# Altium PCB FPGA_Module.PcbDoc (part 2 of 6)
Units mm, origin at the board's own origin, x right, y up, seen from the top; angles counter-clockwise.
Board outline 40 x 50 mm, 6 copper layers (Top Layer, Int1 (GND), Int2 (Sign), Int3 (Sign), Int4 (GND), Bottom Layer), stack 1.482 mm thick; 195 components, 212 nets, 1182 pads, 669 vias.
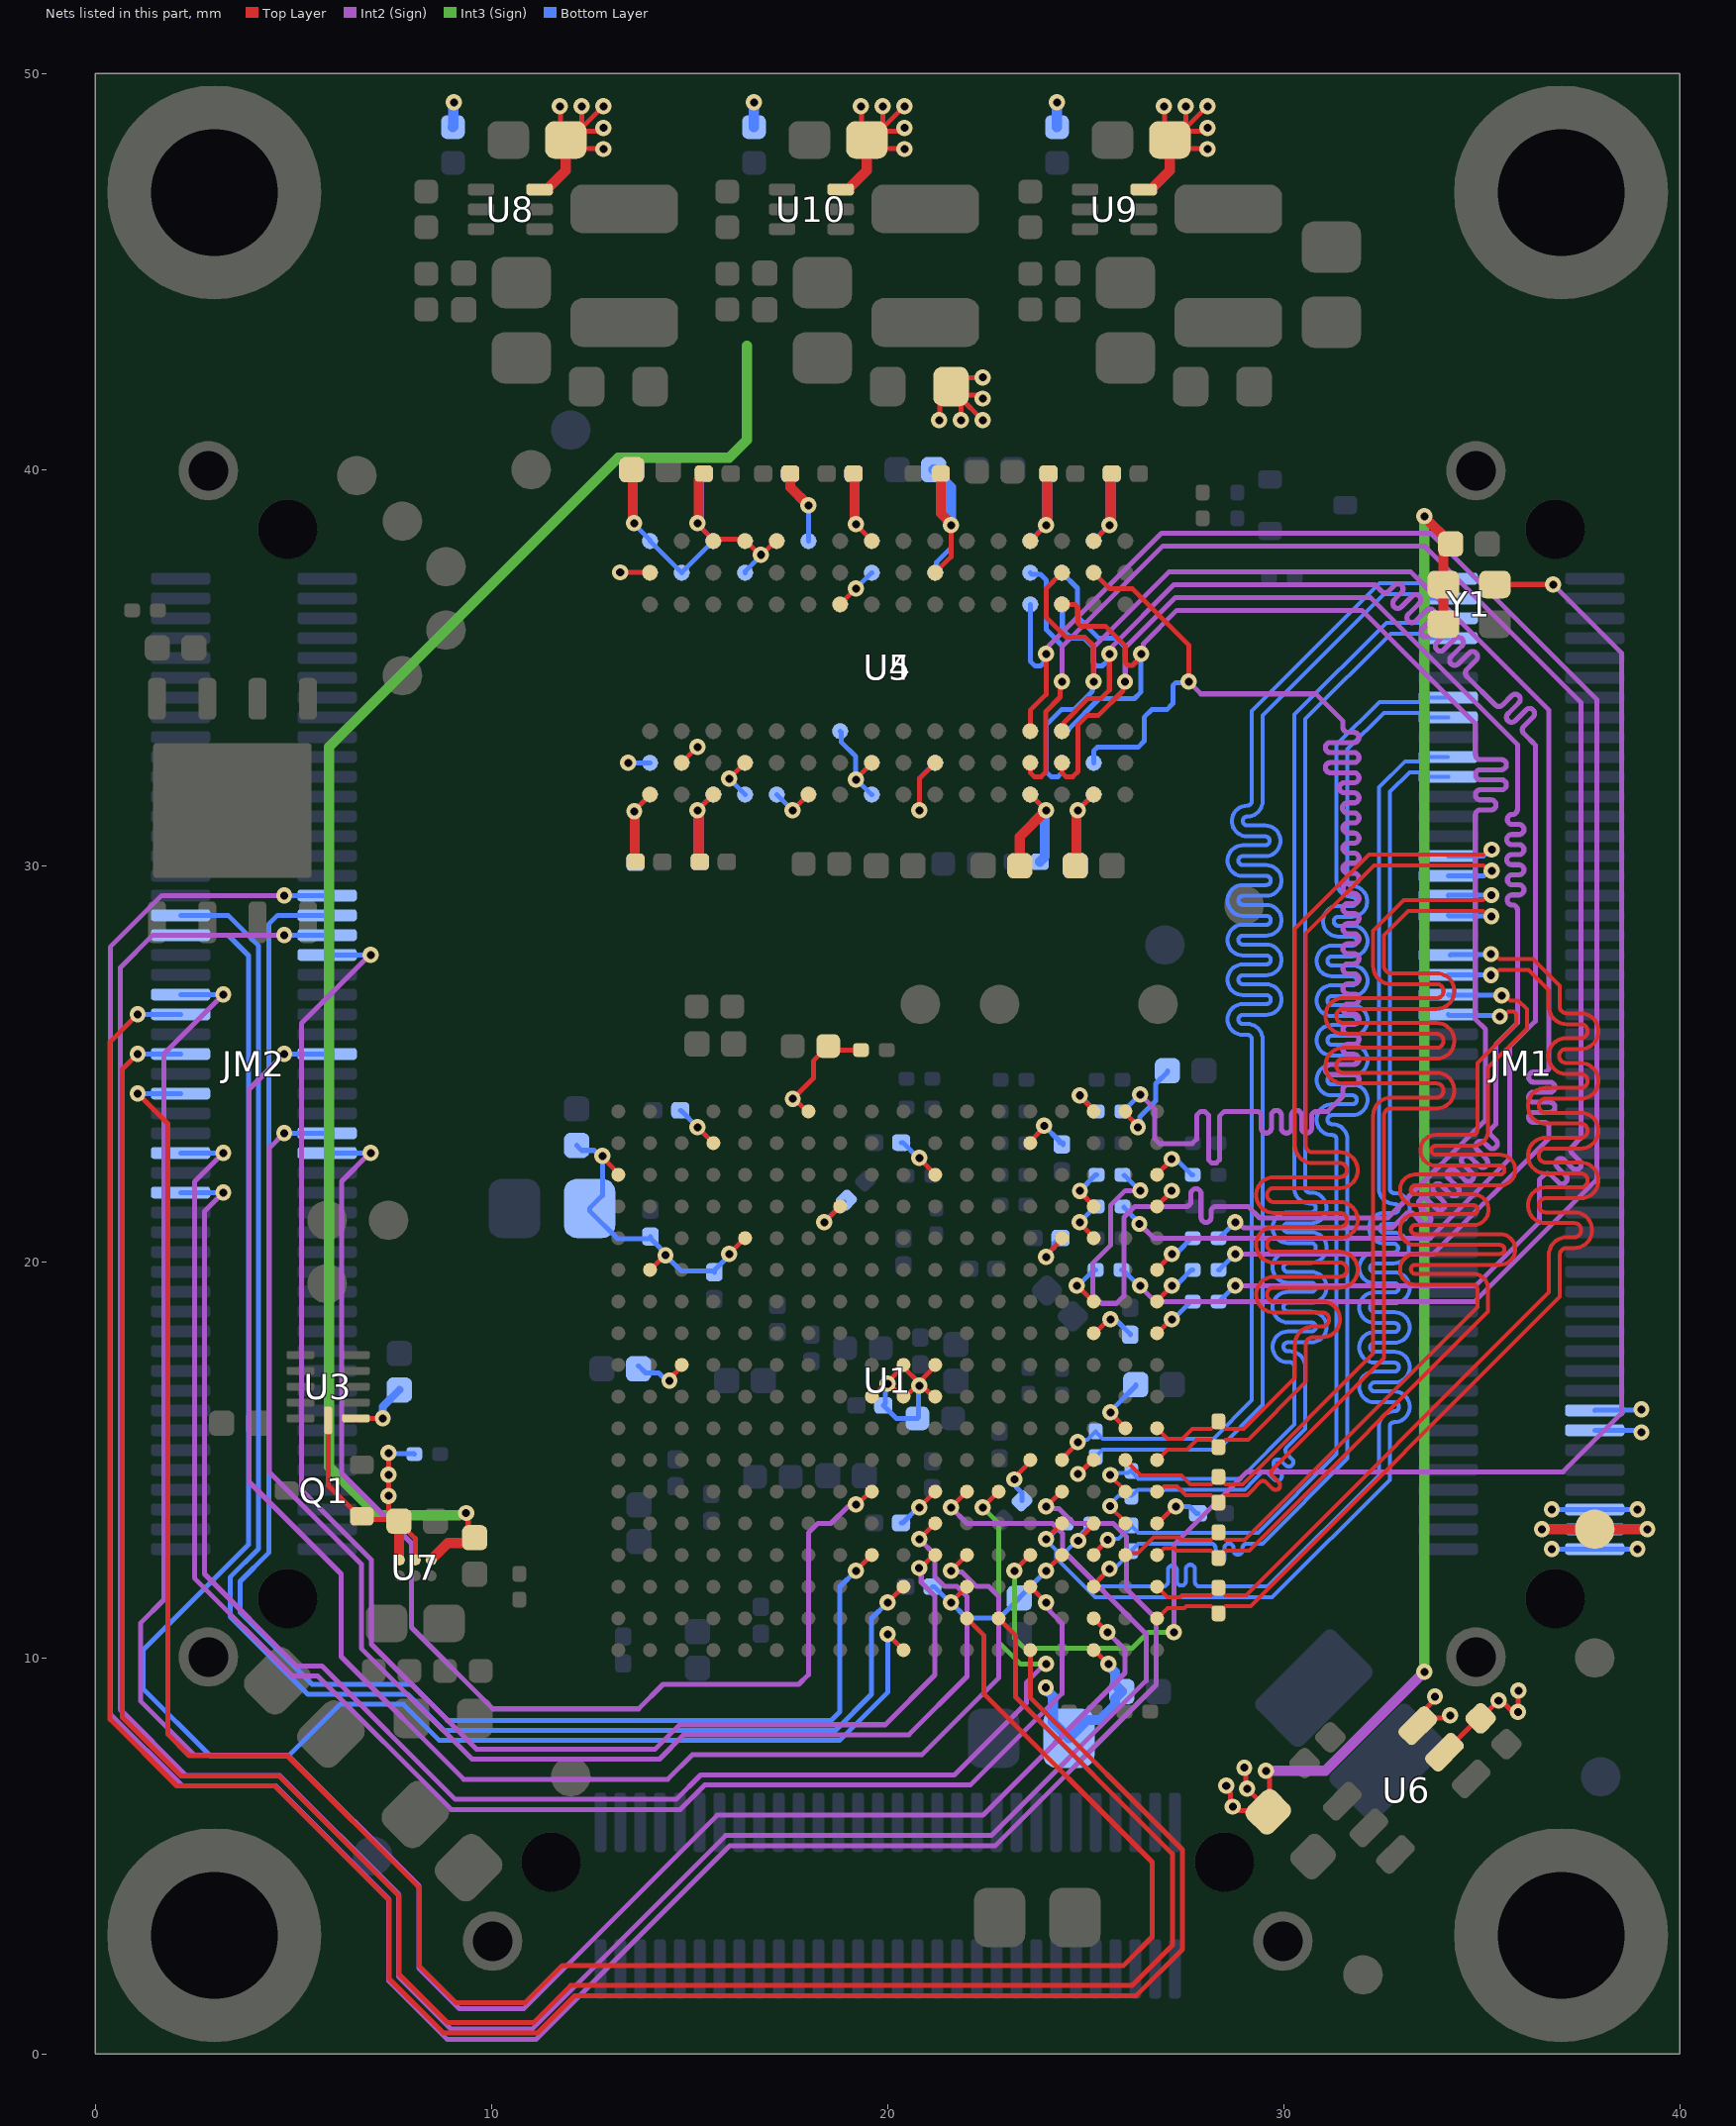
[diagram p6: the nets of this part, all layers, seen from the top]

## Via types
v1: diameter 0.406, hole 0.203, Top Layer to Bottom Layer, tented both sides, 669 vias

## Nets (pads, with @x,y where several pads share a name; then routed paths per layer and width w, separated by ;. In a path a pad name is that pad's centre, name@x,y a point inside that pad or via, vN(x,y) a via of type N, cw(c..) or ccw(c..) an arc to the next point about the centre after c; other vN are vias at no path point) (continued)
1V35: C1.1 C5.2 C6.2 C7.2 C8.2 C9.2 C10.2 C11.2 C12.2 C13.2 C14.2 C15.2 C17.2 C18.2 C19.2 C20.2 C21.2 C22.2 C23.2 C24.2 C25.2 C26.2 C27.2 C36.2 C37.2 C38.2 C39.2 C40.2 C41.2 C42.2 C43.2 C44.2 C45.2 C46.2 C47.2 C48.2 C84.2 Q1.2 R12.2 R27.2 R55.2 R58.2 U1.A16 U1.B13 U1.C10 U1.D17 U1.E14 U1.G18 U1.H15 U1.L16 U1.P17 U1.R14 U1.T11 U1.U8 U1.U18 U1.V15 U3.1 U3.12 U4.A1 U4.A8 U4.B2 U4.C1 U4.C9 U4.D2 U4.D9 U4.E9 U4.F1 U4.G7 U4.H2 U4.H9 U4.K2 U4.K8 U4.N1 U4.N9 U4.R1 U4.R9 U5.A1 U5.A8 U5.B2 U5.C1 U5.C9 U5.D2 U5.D9 U5.E9 U5.F1 U5.G7 U5.H2 U5.H9 U5.K2 U5.K8 U5.N1 U5.N9 U5.R1 U5.R9 U7.A2 U7.B2 | length 96
  Top Layer w0.127: U3.12@5.875,16 5.875,14.36 6.66,13.575 Q1.2@6.725,13.575 6.8,13.5 7.59,13.5 C84.2@7.665,13.425 ; U3.1@6.575,16.013 U3.1@6.575,16.05 v1(7.255,16.05) ; v1(7.4,15.175) v1(7.4,14.625) v1(7.4,14.092) 7.4,13.742 7.665,13.477 C84.2@7.665,13.425 ; U7.A2@7.67,12.48 U7.A2@7.675,12.475 ; U7.B2@8.075,12.475 8.075,13.015 7.67,13.42 C84.2@7.665,13.425 ; v1(12.8,22.675) 12.8,22.638 13.2,22.237 U1.A16@13.2,22.2 ; v1(13.25,37.406) 13.253,37.403 13.997,37.403 U4.A8@14,37.4 ; v1(13.606,31.375) v1@13.621,31.361 ; C13.2@13.621,30.114 C13.2@13.635,30.1 ; v1@13.65,31.375 13.65,31.434 14,31.784 U4.A1@14,31.8 ; U1.B13@14.038,19.838 14.049,19.838 14.379,20.167 v1(14.39,20.167) ; v1(14.491,17) 14.491,17.046 14.762,17.317 U1.C10@14.762,17.362 ; U4.B2@14.8,32.6 v1(15.2,33) ; v1(15.2,23.4) U1.D17@15.562,23.038 ; v1@15.2,38.625 15.6,38.225 U4.C9@15.6,38.2 15.646,38.246 16.354,38.246 U4.D9@16.4,38.2 ; C7.2@15.23,30.13 C7.2@15.26,30.1 ; v1@15.23,31.37 v1(15.2,31.4) U4.C1@15.6,31.8 ; v1(16,20.2) U1.E14@16.362,20.562 ; v1(16,32.2) U4.D2@16.4,32.6 ; U4.D9@16.444,38.244 U4.D9@16.4,38.2 ; U4.E9@17.156,38.244 U4.E9@17.2,38.2 ; U4.E9@17.2,38.225 U4.E9@17.2,38.2 ; v1@17.6,24.117 v1(17.606,24.117) ; v1(17.6,31.4) U4.F1@18,31.8 ; U1.G18@17.962,23.838 17.924,23.838 17.645,24.117 v1(17.606,24.117) ; v1(18.4,21) U1.H15@18.762,21.362 ; U4.G7@18.8,36.6 v1(19.2,37) ; v1(19.2,32.175) 19.2,32.187 19.6,32.588 U4.H2@19.6,32.6 ; v1@19.2,38.613 19.6,38.213 U4.H9@19.6,38.2 ; R58.2@19.325,25.35 18.6,25.35 R27.2@18.5,25.45 18.125,25.075 18.125,24.635 v1(17.606,24.117) ; v1(20.8,22.625) 20.8,22.613 21.2,22.212 U1.L16@21.2,22.2 ; v1(20.8,31.4) 20.8,32.2 U4.K2@21.2,32.6 ; U4.K8@21.2,37.4 21.6,37.8 v1(21.6,38.6) ; v1(21.3,41.25) 21.313,41.263 21.313,41.813 R55.2@21.6,42.1 ; R55.2@21.797,41.903 R55.2@21.6,42.1 ; R55.2@21.815,41.922 21.815,41.835 v1(22.4,41.25) ; v1(21.85,41.25) R55.2@21.85,41.85 ; R55.2@21.85,41.956 21.927,41.879 22.24,41.879 22.324,41.795 v1(22.4,41.795) ; v1(22.4,42.329) 22.391,42.32 21.82,42.32 R55.2@21.6,42.1 ; U1.P17@23.6,23 23.6,23.042 23.951,23.394 v1(23.951,23.437) ; U4.N1@23.6,31.8 v1(24,31.4) ; U4.N9@23.6,38.2 v1(24,38.6) ; v1(24,20.125) 24,20.162 24.4,20.563 U1.R14@24.4,20.6 ; v1(24.8,31.4) U4.R1@25.2,31.8 ; U1.T11@25.2,18.2 25.238,18.2 25.588,18.55 v1(25.625,18.55) ; U4.R9@25.2,38.2 v1(25.6,38.6) ; v1(25.625,16.2) 25.625,16.188 26,15.813 U1.U8@26,15.8 ; U1.U18@26,23.8 26,23.754 26.309,23.446 v1@26.309,23.4 ; U1.V15@26.8,21.4 26.8,21.411 27.171,21.782 v1(27.171,21.794) ; U4.D9@16.4,38.2 16.426,38.2 16.774,37.852 v1(16.8,37.852) 16.826,37.852 17.174,38.2 U4.E9@17.2,38.2
  Top Layer w0.254: U7.A2@7.67,12.48 C84.2@7.67,13.42 ; C6.2@13.54,40 13.57,39.97 13.57,38.68 v1(13.6,38.65) ; C13.2@13.621,30.114 v1@13.621,31.361 ; v1(15.2,38.65) 15.233,38.683 15.233,39.773 C12.2@15.36,39.9 ; C7.2@15.23,30.13 v1@15.23,31.37 ; C8.2@17.54,39.9 17.54,39.56 v1(18,39.1) ; C9.2@19.14,39.9 19.17,39.87 19.17,38.655 v1(19.2,38.625) v1@19.2,38.613 ; C10.2@21.34,39.9 21.34,38.897 21.6,38.637 v1(21.6,38.6) ; C17.2@23.335,30 23.335,30.735 v1(24,31.4) ; v1(24,38.6) 24.03,38.63 24.03,39.87 C14.2@24.06,39.9 ; C11.2@24.74,30 24.77,30.03 24.77,31.37 v1(24.8,31.4) ; v1(25.6,38.6) 25.63,38.63 25.63,39.87 C26.2@25.66,39.9
  Bottom Layer w0.127: v1(7.4,15.175) 7.412,15.162 8.037,15.162 R12.2@8.05,15.15 ; C41.2@12.15,22.94 12.276,22.814 12.586,22.814 12.725,22.675 v1(12.8,22.675) 12.8,21.675 C42.2@12.475,21.35 12.475,21.29 13.184,20.58 13.954,20.58 C46.2@14.011,20.638 14.011,20.596 14.39,20.217 v1(14.39,20.167) 14.789,19.769 15.596,19.769 C38.2@15.625,19.74 15.625,19.782 16,20.157 v1(16,20.2) ; v1@13.45,32.6 U5.A8@14,32.6 ; v1@13.6,38.625 U5.A1@14,38.225 ; C44.2@13.71,17.375 13.89,17.195 14.221,17.195 14.416,17 v1(14.491,17) ; U5.A1@14,38.2 U5.B2@14.8,37.4 U5.C1@15.6,38.2 15.6,38.225 v1@15.2,38.625 ; C39.2@14.765,23.825 14.78,23.825 15.2,23.405 v1(15.2,23.4) ; v1@15.23,31.37 v1(15.2,31.4) U5.C9@15.6,31.8 ; v1(16,32.2) U5.D9@16.4,31.8 ; U5.D2@16.4,37.4 16.4,37.426 16.8,37.826 v1(16.8,37.852) ; U5.E9@17.2,31.8 v1(17.6,31.4) ; U5.F1@18,38.2 v1(18,39.1) ; v1(18.4,21) C47.2@18.91,21.51 ; U5.G7@18.8,33.4 18.825,33.375 18.825,33.127 19.191,32.762 19.191,32.184 v1(19.2,32.175) 19.213,32.175 19.587,31.8 U5.H9@19.6,31.8 ; v1(19.2,37) U5.H2@19.6,37.4 ; C48.2@20.341,23.011 20.383,23.011 20.769,22.625 v1(20.8,22.625) ; v1(20.8,31.4) 20.8,32.2 U5.K8@21.2,32.6 ; U5.K2@21.2,37.4 21.237,37.437 21.237,37.662 21.6,38.025 v1(21.6,38.6) ; U5.N9@23.6,31.8 v1(24,31.4) ; U5.N1@23.6,38.2 v1(24,38.6) ; v1(23.951,23.437) 24.343,23.046 24.343,23.007 24.425,23.007 C36.2@24.425,22.965 ; v1(24,20.125) 24,20.166 24.199,20.365 24.199,20.459 C45.2@24.34,20.6 ; v1(24.8,31.4) U5.R9@25.2,31.8 ; U5.R1@25.2,38.2 v1(25.6,38.6) ; v1(25.625,16.2) 25.625,16.23 26.265,16.87 C43.2@26.265,16.9 ; v1(25.625,18.55) 25.678,18.497 25.807,18.497 26.125,18.178 C37.2@26.125,18.16 ; v1@26.309,23.4 26.362,23.453 26.362,23.655 26.769,24.062 26.769,24.388 26.768,24.494 27.065,24.791 C40.2@27.065,24.825
  Bottom Layer w0.2: v1(7.255,16.05) 7.258,16.053 7.258,16.348 C1.1@7.675,16.765
  Bottom Layer w0.254: C18.2@13.54,40 13.57,39.97 13.57,38.68 v1(13.6,38.65) ; v1(13.606,31.375) 13.621,31.361 13.621,30.089 C15.2@13.635,30.075 ; v1(15.2,38.65) 15.24,38.69 15.24,39.78 C22.2@15.36,39.9 ; v1@15.23,31.37 15.23,30.13 C20.2@15.26,30.1 ; C21.2@17.54,39.9 17.54,39.56 v1(18,39.1) ; C24.2@19.14,39.9 19.17,39.87 19.17,38.655 v1(19.2,38.625) ; C5.2@21.16,40 21.6,39.56 v1(21.6,38.6) ; C25.2@23.84,30.1 23.971,30.231 23.971,31.371 v1(24,31.4) ; v1(24,38.6) 24.03,38.63 24.03,39.87 C19.2@24.06,39.9 ; C23.2@24.74,30 24.77,30.03 24.77,31.37 v1(24.8,31.4) ; v1(25.6,38.6) 25.63,38.63 25.63,39.87 C27.2@25.66,39.9
  other v1: 26.32,23.4 13.45,32.6
+3V3: C29.2 C30.2 C31.2 C32.2 C33.2 C34.2 C35.2 C72.1 R54.2 U1.L6 U1.M3 U1.P7 U1.R4 U1.T1 U1.V5 Y1.1 Y1.4 | length 54.3
  Top Layer w0.127: v1(20.8,13.8) U1.L6@21.162,14.162 ; v1(21.6,11.4) U1.M3@21.962,11.762 ; v1(23.2,14.509) 23.2,14.554 23.562,14.917 U1.P7@23.562,14.962 ; v1(24,12.2) U1.R4@24.362,12.562 ; U1.T1@25.238,10.162 25.25,10.162 25.563,9.85 v1(25.575,9.85) ; U1.V5@26.838,13.438 26.863,13.438 27.25,13.825 v1(27.275,13.825) ; v1(28.547,6.775) 28.547,6.699 28.659,6.587 28.659,6.298 v1(28.712,6.244) 28.788,6.244 28.89,6.142 29.583,6.142 R54.2@29.609,6.116 29.609,6.166 v1(29.075,6.7) 29.039,6.736 29.039,7.192 v1(29.003,7.228) ; v1(29.55,7.15) 29.55,7.074 29.645,6.98 R54.2@29.645,6.178
  Top Layer w0.254: v1(33.55,38.825) 33.55,38.807 34.208,38.15 C72.1@34.208,38.132 ; Y1.1@34.029,36.102 Y1.4@34.029,37.102 34.029,37.921 34.215,38.107 C72.1@34.215,38.125
  Int2 (Sign) w0.254: v1(29.55,7.15) 31.05,7.15 v1(33.55,9.65)
  Int3 (Sign) w0.254: v1(33.55,9.65) v1(33.55,38.825)
  Bottom Layer w0.127: C35.2@20.338,13.408 20.381,13.408 20.773,13.8 v1(20.8,13.8) ; C34.2@21.13,11.8 21.172,11.8 21.572,11.4 v1(21.6,11.4) 21.994,11.006 22.821,11.006 C30.2@23.325,11.51 23.325,11.518 24,12.193 v1(24,12.2) ; v1(23.2,14.509) 23.253,14.455 23.253,14.302 23.39,14.165 C33.2@23.39,13.965 ; v1(27.275,13.825) 27.618,13.825 27.793,13.65 C32.2@27.835,13.65
  Bottom Layer w0.254: v1(23.994,9.253) 23.994,9.212 24.174,9.031 24.174,8.376 C29.2@24.575,7.975 25.03,8.43 25.36,8.43 25.742,8.812 25.742,8.977 C31.2@25.915,9.15 25.742,9.323 25.742,9.641 25.575,9.809 v1(25.575,9.85)
+3V3_IN: C71.2 C77.2 C79.2 C80.2 C85.2 JM1.1 JM1.3 JM1.5 JM1.13 JM1.15 R44.2 R45.2 R48.2 TP14.1 U6.5 U6.6 U7.C2 U8.3 U9.3 U10.3 | length 76.7
  Top Layer w0.127: v1(9.358,13.655) 9.411,13.601 9.411,13.224 C85.2@9.575,13.06 ; U8.3@11.215,47.075 U8.3@11.4,47.075 ; v1(11.725,49.175) 11.738,49.162 11.738,48.612 C71.2@12.025,48.325 ; C71.2@12.222,48.522 C71.2@12.025,48.325 ; C71.2@12.24,48.503 12.24,48.59 C71.2@12.275,48.625 ; C71.2@12.275,48.469 12.352,48.546 12.665,48.546 12.749,48.63 v1(12.825,48.63) ; C71.2@12.275,48.575 C71.2@12.275,48.625 ; v1(12.275,49.175) C71.2@12.275,48.625 ; v1(12.825,48.096) 12.816,48.105 12.245,48.105 C71.2@12.025,48.325 ; v1(12.825,49.175) C71.2@12.275,48.625 ; v1(19.325,49.175) 19.338,49.162 19.338,48.612 C79.2@19.625,48.325 ; C79.2@19.822,48.522 C79.2@19.625,48.325 ; C79.2@19.84,48.503 19.84,48.59 C79.2@19.875,48.625 ; C79.2@19.875,48.469 19.952,48.546 20.265,48.546 20.349,48.63 v1(20.425,48.63) ; C79.2@19.875,48.575 C79.2@19.875,48.625 ; v1(19.875,49.175) C79.2@19.875,48.625 ; v1(20.425,48.096) 20.416,48.105 19.845,48.105 C79.2@19.625,48.325 ; v1(20.425,49.175) C79.2@19.875,48.625 ; v1(26.975,49.175) 26.988,49.162 26.988,48.612 C80.2@27.275,48.325 ; C80.2@27.472,48.522 C80.2@27.275,48.325 ; C80.2@27.49,48.503 27.49,48.59 C80.2@27.525,48.625 ; C80.2@27.525,48.469 27.602,48.546 27.915,48.546 27.999,48.63 v1(28.075,48.63) ; C80.2@27.525,48.575 C80.2@27.525,48.625 ; v1(27.525,49.175) C80.2@27.525,48.625 ; v1(28.075,48.096) 28.066,48.105 27.495,48.105 C80.2@27.275,48.325 ; v1(28.075,49.175) C80.2@27.525,48.625 ; v1(33.818,9.024) 33.818,8.949 33.386,8.517 U6.6@33.386,8.291 33.574,8.478 34.052,8.478 34.124,8.55 v1(34.2,8.55) ; U6.5@33.87,7.432 C77.2@34.943,8.504 ; C77.2@34.97,8.475 34.972,8.475 v1(35.422,8.924) 35.498,8.924 35.731,8.691 35.859,8.691 v1@35.886,8.664 ; v1(35.912,8.637) 35.912,8.691 35.919,8.697 35.919,9.169 v1(35.925,9.175)
  Top Layer w0.254: U7.C2@8.475,12.475 8.9,12.9 9.415,12.9 C85.2@9.575,13.06 ; U8.3@11.4,47.075 11.875,47.55 C71.2@11.875,48.325 ; U10.3@19,47.075 19.475,47.55 C79.2@19.475,48.325 ; U9.3@26.65,47.075 27.125,47.55 C80.2@27.125,48.325 ; v1(36.519,13.25) TP14.1@37.85,13.25 v1(39.181,13.25)
  Int3 (Sign) w0.254: v1(9.358,13.655) 9.329,13.625 9.221,13.625 9.196,13.6 7.125,13.6 5.9,14.825 5.9,33 13.2,40.3 16,40.3 16.45,40.75 16.45,43.125
  Bottom Layer w0.127: v1(36.519,13.25) JM1.3@37.85,13.25 v1(39.181,13.25) ; v1(36.77,12.75) v1(38.93,12.75) ; v1(36.77,13.75) v1(38.93,13.75) ; JM1.13@37.85,15.75 38.898,15.75 38.955,15.693 v1(39.03,15.693) ; JM1.15@37.85,16.25 37.862,16.262 39.019,16.262 v1(39.031,16.274)
  Bottom Layer w0.254: R44.2@9.025,48.65 9.038,48.662 9.038,49.262 v1(9.05,49.275) ; R48.2@16.625,48.65 v1(16.625,49.275) ; R45.2@24.275,48.65 v1(24.275,49.275)
ACQ_EN: JM2.51 U1.M4 | length 40.6
  Top Layer w0.127: v1(21.6,12.2) U1.M4@21.962,12.562
  Int2 (Sign) w0.127: v1(4.77,25.25) 3.879,24.359 3.879,14.446 6.204,12.121 6.204,10.032 9.299,6.937 14.45,6.937 15.066,7.553 20.862,7.553 22.8,9.491 22.8,11.557 22.55,11.806 22.237,11.806 21.873,12.17 21.63,12.17 v1(21.6,12.2)
  Bottom Layer w0.127: v1(4.77,25.25) JM2.51@5.85,25.25
ADC_CSn: JM2.65 U1.J4 | length 39.8
  Top Layer w0.127: v1(19.2,12.2) U1.J4@19.562,12.562
  Bottom Layer w0.127: JM2.65@5.85,28.75 4.6,28.75 4.375,28.525 4.375,12.653 3.654,11.932 3.654,11.151 5.468,9.337 7.984,9.337 8.896,8.425 18.578,8.425 18.794,8.64 18.794,11.794 v1(19.2,12.2)
ADC_PD: JM2.61 U1.L4 | length 39.4
  Top Layer w0.127: v1(20.796,12.269) 20.832,12.269 21.126,12.562 U1.L4@21.162,12.562
  Int2 (Sign) w0.127: v1(6.95,27.75) 6.93,27.75 5.2,26.02 5.2,14.243 6.966,12.477 6.966,10.347 9.614,7.699 14.135,7.699 14.751,8.315 19.94,8.315 21.194,9.569 21.194,11.563 20.849,11.908 20.849,12.216 v1(20.796,12.269)
  Bottom Layer w0.127: JM2.61@5.85,27.75 v1(6.95,27.75)
ADC_PG: JM2.67 U1.R6 | length 67
  Top Layer w0.127: v1(24,13.825) 24.012,13.825 24.35,14.162 U1.R6@24.362,14.162
  Int2 (Sign) w0.127: v1(4.77,29.25) 1.675,29.25 0.375,27.95 0.375,8.591 2.191,6.775 4.55,6.775 7.4,3.925 7.4,1.85 8.875,0.375 11.128,0.375 16.015,5.262 22.722,5.262 26.779,9.32 26.779,10.992 26.03,11.74 26.03,13.062 25.692,13.4 24.695,13.4 24.323,13.772 24.053,13.772 v1(24,13.825)
  Bottom Layer w0.127: v1(4.77,29.25) JM2.67@5.85,29.25
ADC_RSTn: JM2.63 U1.M6 | length 66.6
  Top Layer w0.127: v1(21.6,13.8) U1.M6@21.962,14.162
  Int2 (Sign) w0.127: v1(4.77,28.25) 1.45,28.25 0.629,27.429 0.629,8.696 2.296,7.029 4.655,7.029 7.654,4.03 7.654,1.955 8.98,0.629 11.022,0.629 15.91,5.516 22.616,5.516 26.525,9.425 26.525,10.609 24.416,12.718 24.416,13.141 24.163,13.394 22.006,13.394 v1(21.6,13.8)
  Bottom Layer w0.127: v1(4.77,28.25) JM2.63@5.85,28.25
ADC_SCLK: JM2.41 U1.J6 | length 30.9
  Top Layer w0.127: v1(19.2,13.875) 19.237,13.875 19.525,14.162 U1.J6@19.562,14.162
  Int2 (Sign) w0.127: v1(6.95,22.75) 6.93,22.75 6.216,22.036 6.216,14.664 7.982,12.898 7.982,10.768 10.035,8.715 13.714,8.715 14.33,9.331 17.756,9.331 18,9.575 18,13.157 18.237,13.394 18.569,13.394 18.997,13.822 19.147,13.822 v1(19.2,13.875)
  Bottom Layer w0.127: JM2.41@5.85,22.75 v1(6.95,22.75)
ADC_SDATA: JM2.43 U1.L5 | length 37.2
  Top Layer w0.127: v1(20.8,13) U1.L5@21.162,13.362
  Int2 (Sign) w0.127: v1(4.77,23.25) 4.387,22.867 4.387,14.697 6.712,12.372 6.712,10.242 9.509,7.445 14.24,7.445 14.856,8.061 20.536,8.061 22.006,9.531 22.006,11.55 21.75,11.806 21.437,11.806 21.194,12.05 21.194,12.606 v1(20.8,13)
  Bottom Layer w0.127: v1(4.77,23.25) JM2.43@5.85,23.25
AGND: C64.1 FB2.1 U1.J9 U1.K9 U1.K10 U1.L9 U1.L10 | length 6.4
  Top Layer w0.127: U1.J9@19.6,16.6 19.637,16.6 19.962,16.925 v1(20,16.925) ; U1.K10@20.4,17.4 U1.K10@20.4,17.363 ; U1.L9@21.2,16.6 21.14,16.6 20.865,16.875 v1(20.8,16.875) ; U1.L10@21.2,17.4 21.2,17.363 v1@20.8,16.963 ; v1(20,16.925) 20.038,16.925 20.363,16.6 20.46,16.6 20.735,16.875 v1(20.8,16.875) ; v1(20,16.925) 20,16.963 U1.K10@20.4,17.363 ; U1.K10@20.4,17.363 20.4,17.34 20.777,16.963 v1@20.8,16.963 ; v1(20.8,16.875) v1@20.8,16.963
  Bottom Layer w0.127: v1(20,16.925) 19.947,16.872 19.947,16.432 C64.1@19.89,16.375 20.215,16.05 FB2.1@20.75,16.05 20.775,16.075 20.775,16.85 v1(20.8,16.875)
ATTEN_1: JM2.38 U1.N6 | length 41.7
  Top Layer w0.127: v1(22.4,13.8) U1.N6@22.762,14.162
  Int2 (Sign) w0.127: v1(3.23,21.75) 2.754,21.274 2.754,12.121 5.075,9.8 5.717,9.8 9.088,6.429 14.661,6.429 15.277,7.045 21.684,7.045 23.5,8.861 23.5,9.375 23.975,9.85 v1(24,9.85)
  Int3 (Sign) w0.127: v1(22.4,13.8) 22.8,13.4 22.8,10.4 23.35,9.85 v1(24,9.85)
  Bottom Layer w0.127: JM2.38@2.15,21.75 v1(3.23,21.75)
ATTEN_2: JM2.48 U1.M2 | length 57.1
  Top Layer w0.127: v1(1.07,24.25) 1.825,23.495 1.825,8.075 2.368,7.532 4.843,7.532 8.175,4.2 8.175,2.225 9.1,1.3 10.85,1.3 11.787,2.237 25.959,2.237 26.679,2.957 26.679,4.843 22.435,9.088 22.435,10.565 U1.M2@22,11
  Bottom Layer w0.127: v1(1.07,24.25) JM2.48@2.15,24.25
ATTEN_3: JM2.56 U1.P1 | length 60.7
  Top Layer w0.127: v1(1.07,26.25) 0.371,25.551 0.371,8.451 2.052,6.77 4.527,6.77 7.413,3.884 7.413,1.909 8.784,0.538 11.166,0.538 12.103,1.475 26.275,1.475 27.441,2.641 27.441,5.159 23.6,9 U1.P1@23.6,10.2
  Bottom Layer w0.127: v1(1.07,26.25) JM2.56@2.15,26.25
ATTEN_4: JM2.64 U1.K1 | length 44.5
  Top Layer w0.127: v1(20,10.6) 20.362,10.238 U1.K1@20.362,10.213
  Bottom Layer w0.127: JM2.64@2.15,28.247 3.353,28.247 3.867,27.733 3.867,12.864 1.2,10.196 1.2,9.228 2.891,7.537 4.884,7.537 6.176,8.829 7.774,8.829 8.686,7.917 18.789,7.917 20,9.128 v1(20,10.6)
CLK25: U1.P4 Y1.3 | length 44.5
  Top Layer w0.127: v1(23.2,12.2) U1.P4@23.562,12.562 ; Y1.3@35.329,37.102 v1(36.8,37.1)
  Int2 (Sign) w0.127: v1(27.225,10.65) 27.225,12.85 29.075,14.7 37.05,14.7 38.525,16.175 38.525,35.375 v1(36.8,37.1)
  Int3 (Sign) w0.127: v1(23.2,12.2) 23.2,10.5 23.45,10.25 26.181,10.25 26.581,10.65 v1(27.225,10.65)
D1A_N: JM1.58 R6.1 U1.V4 | length 36.9
  Top Layer w0.1: U1.V4@26.8,12.6 26.81,12.6 26.984,12.774 27.227,12.774 27.288,12.713 28.167,12.713 28.35,12.53 R6.1@28.35,12.525 ; R6.1@28.35,12.537 28.357,12.537 28.533,12.713 29.125,12.713 35.16,18.748 35.16,19.125 35.16,19.312 ccw(c34.773,19.312) 34.773,19.7 33.322,19.7 cw(c33.322,19.813) 33.322,19.927 35.459,19.927 ccw(c35.459,20.314) 35.459,20.702 33.322,20.702 cw(c33.322,20.815) 33.322,20.929 34.785,20.929 ccw(c34.785,21.316) 34.785,21.704 33.322,21.704 cw(c33.322,21.817) 33.322,21.931 35.459,21.931 ccw(c35.459,22.318) 35.459,22.706 33.836,22.706 cw(c33.836,22.819) 33.836,22.933 34.773,22.933 ccw(c34.773,23.32) 35.16,23.32 35.16,24.907 36.139,25.886 36.139,26.377 35.92,26.596 35.712,26.596 35.583,26.725 v1(35.5,26.725)
  Bottom Layer w0.127: JM1.58@34.15,26.75 34.163,26.738 35.488,26.738 v1(35.5,26.725)
D1A_P: JM1.56 R6.2 U1.U4 | length 36.9
  Top Layer w0.1: U1.U4@26,12.6 26.048,12.648 26.315,12.648 26.716,13.048 27.341,13.048 27.402,12.987 28.167,12.987 28.35,13.17 R6.2@28.35,13.175 ; R6.2@28.35,13.163 28.357,13.163 28.533,12.987 29.011,12.987 34.886,18.862 34.886,19.125 34.886,19.312 ccw(c34.773,19.312) 34.773,19.426 33.322,19.426 cw(c33.322,19.813) 33.322,20.201 35.459,20.201 ccw(c35.459,20.314) 35.459,20.428 33.322,20.428 cw(c33.322,20.815) 33.322,21.203 34.785,21.203 ccw(c34.785,21.316) 34.785,21.43 33.322,21.43 cw(c33.322,21.817) 33.322,22.205 35.459,22.205 ccw(c35.459,22.318) 35.459,22.432 33.836,22.432 cw(c33.836,22.819) 33.836,23.207 34.773,23.207 ccw(c34.773,23.32) 34.886,23.32 34.886,24.907 34.886,25.021 35.865,25.999 35.865,26.264 35.806,26.322 35.665,26.322 35.536,26.194 v1(35.453,26.194)
  Bottom Layer w0.127: JM1.56@34.15,26.25 34.178,26.222 35.425,26.222 v1(35.453,26.194)
D1B_N: JM1.62 R8.1 U1.V2 | length 34.6
  Top Layer w0.1: U1.V2@26.8,11 27.063,11.263 27.493,11.263 27.543,11.313 28.167,11.313 28.35,11.13 R8.1@28.35,11.125 ; R8.1@28.35,11.137 28.357,11.137 28.533,11.313 29.164,11.313 36.966,19.116 36.966,19.28 36.966,20.173 cw(c37.143,20.173) 37.143,20.35 37.334,20.35 ccw(c37.334,20.801) 37.334,21.252 36.614,21.252 cw(c36.614,21.429) 36.614,21.606 37.495,21.606 ccw(c37.495,22.057) 37.495,22.508 36.614,22.508 cw(c36.614,22.685) 36.614,22.862 37.495,22.862 ccw(c37.495,23.313) 37.495,23.764 36.614,23.764 cw(c36.614,23.941) 36.614,24.118 37.495,24.118 ccw(c37.495,24.569) 37.495,25.02 37.131,25.02 cw(c37.131,25.197) 37.131,25.374 37.495,25.374 ccw(c37.495,25.825) 37.495,26.276 37.143,26.276 cw(c37.143,26.453) 36.966,26.453 36.966,26.64 36.966,26.971 36.295,27.642 35.442,27.642 35.312,27.772 v1(35.23,27.772)
  Bottom Layer w0.127: JM1.62@34.208,27.75 34.219,27.761 35.219,27.761 v1(35.23,27.772)